# Altium PCB DC Battery Capacity Tester V1.2.PcbDoc (part 1 of 2) (continued)
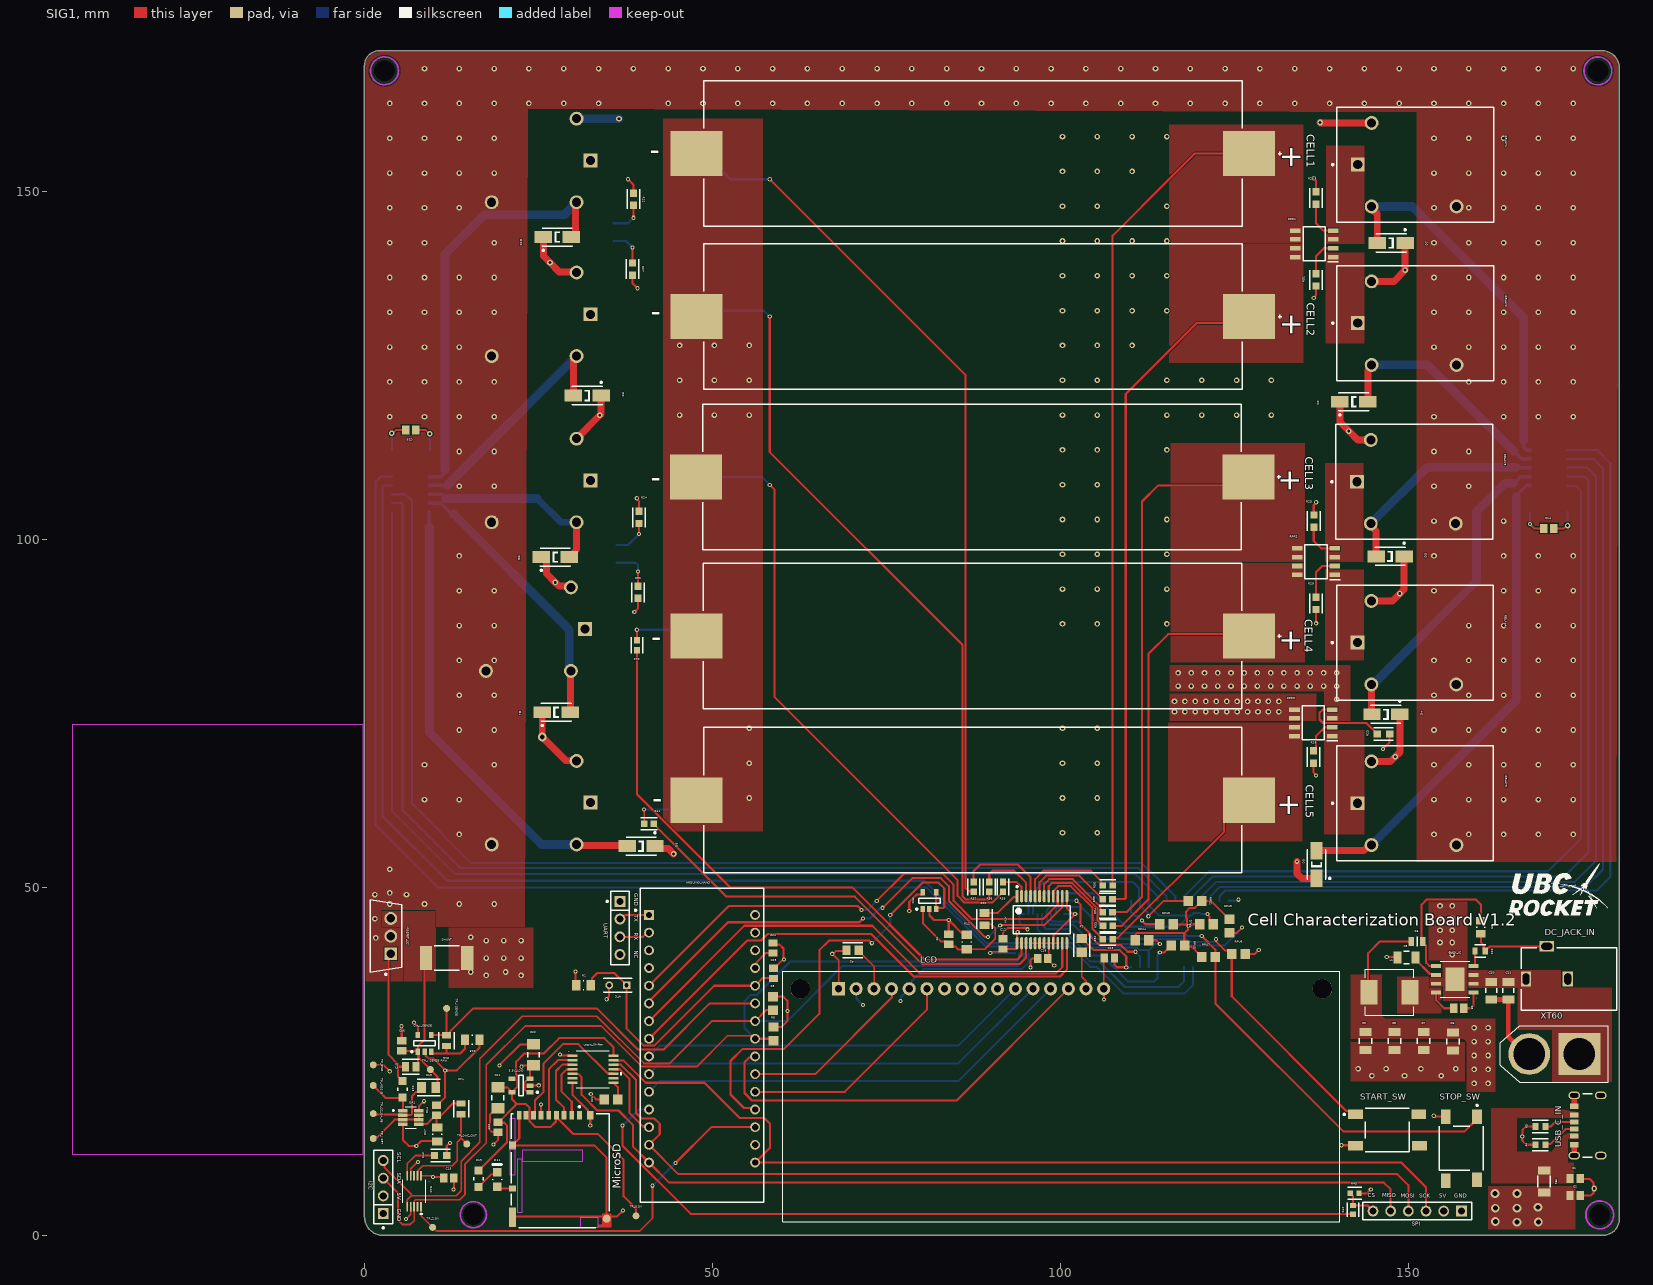
[diagram p0: SIG1 view]
## Components (designator, comment, footprint, x,y, rotation, side; value= is the part's Value field where it differs from the comment) (continued)
OA_I_SENSE "MCP6001UT-E/OT" SOT-23-OT5_L 8.625,27.582 r90 top
R1 "10k" RESC2013X50X35ML15T15 31.472,35.922 r180 top
R2 "1.3k" FP-RMCF0805-IPC_B 70.121,40.928 r0 top
R3 "5.1K" FP-MCT0603-IPC_B 168.91,15.623 r0 top
R4 "5.1K" FP-MCT0603-IPC_B 168.91,13.005 r0 top
R5 "Resistor 4k7 +/-1% 0805 125 mW" RESC2013X70X40ML20T20 58.721,28.939 r90 top value=4.7k
R6 "43k" FP-MCU0805-IPC_C 151.196,42.2 r180 top
R7 "220" FP-RMCF0805-IPC_A 103.022,41.653 r270 top
R8 "Resistor 4k7 +/-1% 0805 125 mW" RESC2013X70X40ML20T20 58.701,33.312 r90 top value=4.7k
R9 "8.2k" RESC0805(2012)_N 160.35,44.247 r90 top value="8200.00 Ohm"
R10 "7.5k" FP-CRCW0805-HPe3-IPC_B 89.07,45.432 r90 top
R11 "10k" RESC2013X50X35ML15T15 86.506,42.137 r270 top
R12 "AC0603JR-7W10KL" FP-AC0603-IPC_A 10.935,11.453 r180 top
R13 "300" FP-CR0805-MFG 5.439,20.994 r270 top
R14 "18k" FP-CRGP0805-IPC_C 13.888,18.154 r270 top value=18KΩ
R15 "1k" FP-RN73R2A-IPC_A 9.204,21.213 r0 top
R16 "18k" FP-CRGP0805-IPC_C 11.763,27.957 r270 top value=18KΩ
R17 "2k" FP-MCU0805-IPC_A 10.461,14.487 r90 top
R18 "2k" FP-MCU0805-IPC_A 15.468,28.082 r0 top
R19 "300" FP-CR0805-MFG 16.4,8.129 r90 top
R20 "200k" FP-CRCW0603-HPe3-MFG 160.248,40.822 r180 top
R21 "Resistor 4k7 +/-1% 0805 125 mW" RESC2013X70X40ML20T20 35.425,19.529 r180 top value=4.7k
R22 "10k" FP-AC0603-IPC_A 38.623,148.832 r90 top
R23 "10k" FP-AC0603-IPC_A 146.367,72.029 r0 top
R24 "10k" FP-AC0603-IPC_A 39.446,103.13 r90 top
R25 "10k" FP-AC0603-IPC_A 136.357,102.586 r90 top
R26 "10k" FP-AC0603-IPC_A 136.677,148.996 r90 top
R27 "10k" FP-AC0603-IPC_A 38.503,138.782 r270 top
R28 "10k" FP-AC0603-IPC_A 136.296,68.708 r270 top
R29 "10k" FP-AC0603-IPC_A 136.677,90.768 r270 top
R30 "10k" FP-AC0603-IPC_A 39.296,92.364 r270 top
R31 "10k" FP-AC0603-IPC_A 136.677,137.236 r270 top
R32 "2k" FP-TFCR0603-IPC_B 106.767,42.518 r180 top
R33 "2k" FP-TFCR0603-IPC_B 106.777,44.454 r180 top
R34 "2k" FP-TFCR0603-IPC_B 106.742,46.4 r180 top
R35 "2k" FP-TFCR0603-IPC_B 106.742,48.287 r180 top
R36 "2k" FP-TFCR0603-IPC_B 106.767,50.251 r180 top
R37 "2k" FP-TFCR0603-IPC_B 87.507,50.054 r90 top
R38 "2k" FP-TFCR0603-IPC_B 89.738,50.038 r90 top
R39 "2k" FP-TFCR0603-IPC_B 91.712,50.038 r90 top
R40 "2k" FP-TFCR0603-IPC_B 39.141,84.76 r270 top
R41 "2k" FP-TFCR0603-IPC_B 40.869,59.131 r0 top
R42 "1.2k" FP-CRGCQ0603-IPC_C 141.992,3.647 r270 top value=1.2KΩ
R43 "2.2k" FP-CRGCQ0603-IPC_C 142.24,6.02 r180 top value=2.2KΩ
RELAY1 "G5LE-1A DC5" FP-G5LE-1A_DC5-MFG 150.923,153.788 r0 top
RELAY2 "G5LE-1A DC5" FP-G5LE-1A_DC5-MFG 150.923,131.03 r0 top
RELAY3 "G5LE-1A DC5" FP-G5LE-1A_DC5-MFG 150.796,108.242 r0 top
RELAY4 "G5LE-1A DC5" FP-G5LE-1A_DC5-MFG 150.873,85.132 r0 top
RELAY5 "G5LE-1A DC5" FP-G5LE-1A_DC5-MFG 150.898,62.061 r0 top
RELAY6 "G5LE-1A DC5" FP-G5LE-1A_DC5-MFG 24.222,62.143 r180 bottom
RELAY7 "G5LE-1A DC5" FP-G5LE-1A_DC5-MFG 23.396,87.071 r180 bottom
RELAY8 "G5LE-1A DC5" FP-G5LE-1A_DC5-MFG 24.222,108.423 r180 bottom
RELAY9 "G5LE-1A DC5" FP-G5LE-1A_DC5-MFG 24.222,132.298 r180 bottom
RELAY10 "G5LE-1A DC5" FP-G5LE-1A_DC5-MFG 24.222,154.392 r180 bottom
RELAY_DRIVER_1 "ULN2003V12DR" FP-D0016A-MFG 170.121,108.356 r180 bottom
RELAY_DRIVER_2 "ULN2003V12DR" FP-D0016A-MFG 6.629,108.356 r0 bottom
RPR1 "MCQ7328-TP" SOIC127P600X175-8N 136.417,142.418 r180 top
RPR2 "MCQ7328-TP" SOIC127P600X175-8N 136.677,96.774 r180 top
RPR3 "MCQ7328-TP" SOIC127P600X175-8N 136.296,73.609 r180 top
RPR4 "MCQ7328-TP" SOIC127P600X175-8N 38.896,97.245 r0 bottom
RPR5 "MCQ7328-TP" SOIC127P600X175-8N 38.503,143.467 r0 bottom
RPU1 "Resistor 4k7 +/-1% 0805 125 mW" RESC2013X70X40ML20T20 119.299,48.044 r0 top value=4.7k
RPU2 "Resistor 4k7 +/-1% 0805 125 mW" RESC2013X70X40ML20T20 120.949,44.679 r180 top value=4.7k
RPU3 "Resistor 4k7 +/-1% 0805 125 mW" RESC2013X70X40ML20T20 116.869,41.653 r0 top value=4.7k
RPU4 "Resistor 4k7 +/-1% 0805 125 mW" RESC2013X70X40ML20T20 111.674,42.378 r180 top value=4.7k
RPU5 "Resistor 4k7 +/-1% 0805 125 mW" RESC2013X70X40ML20T20 124.257,44.415 r90 top value=4.7k
RPU6 "Resistor 4k7 +/-1% 0805 125 mW" RESC2013X70X40ML20T20 125.552,40.403 r0 top value=4.7k
RPU7 "Resistor 4k7 +/-1% 0805 125 mW" RESC2013X70X40ML20T20 121.249,40 r180 top value=4.7k
RPU8 "Resistor 4k7 +/-1% 0805 125 mW" RESC2013X70X40ML20T20 115.219,44.679 r180 top value=4.7k
SHUNT "0.05" FP-CRA2512-IPC_A 11.794,39.827 r0 top
SPI "TSW-106-07-G-S" SMTC-TSW-106-07-X-S 157.561,3.48 r180 top
START_SW "2-1977223-2" FP-2-1977223-2-MFG 146.893,15.123 r90 top
STOP_SW "2-1977223-2" FP-2-1977223-2-MFG 157.561,12.505 r0 top
UART "TSW-104-23-T-S" FP-TSW-104-23-T-S-MFG 36.681,44.145 r270 top
USB_C_IN "USB4125-GF-A-0190" FP-USB4125-GF-A-0190-MFG 176.781,15.773 r270 top
XT60 "XT60-M" AMASS_XT60-M 170.91,26.045 r180 top

## Footprints (in the part's own frame and the unit in brackets; to place one, negate y for a bottom-side part, rotate by r counter-clockwise, add the part's x,y. Pads: shape width x height; smd on the part's side, far side on the other; paste and mask are expansions set on the pad)
AMASS_XT60-M [mm]
  round 6 hole 4.55: N(3.6,0)
  rect 6x6 / inner round 6 / far side rect 6x6 hole 4.55: P(-3.6,0)
  silkscreen extent -7.75,-4.05 7.75,4.05, body extent -7.75,-4.05 7.75,4.05, height 16
CAPC2013X95X50LL10T25 [mm] "Chip Capacitor, 2-Leads, Body 2.10x1.35mm, IPC High Density"
  rect 1.05x1.3 smd: 1(-0.725,0) 2(0.725,0)
  body extent -1.05,-0.67 1.05,0.67, height 0.95
CAPC3216X180X50ML20T25 [mm] "Chip Capacitor, 2-Leads, Body 3.40x1.80mm, IPC Low Density"
  rect 1.5x1.9 smd: 1(-1.5,0) 2(1.5,0)
  silkscreen extent -0.35,-0.85 0.35,0.85, body extent -1.7,-0.9 1.7,0.9, height 1.8
CUI-PJ-102BH_V [mm] "THD, 3-Leads, Body 14.4x9mm, Height 11mm"
  rect 1.5x2.1 hole 1 slot 1.6 at 90 deg: 1(-3,0) 2(3,0)
  rect 2.1x1.5 hole 1 slot 1.6 at 0 deg: 3(0,4.7)
  silkscreen extent -3.7,-4.5 10.02,4.5, body extent -3.7,-4.5 10.7,4.9, height 11
DGS10_TEX [mil]
  rect 52.5x11 smd paste+0 mask+0: 1(-87.25,39.37) 2(-87.25,19.69) 3(-87.25,0) 4(-87.25,-19.68) 5(-87.25,-39.37) 6(87.25,-39.37) 7(87.25,-19.68) 8(87.25,0) 9(87.25,19.69) 10(87.25,39.37)
  silkscreen extent -66,-66 134,66, body extent -99,-61 99,61, height 43
DIOD-S1M-13-F-SMA-2_V [mm] "SMD, 2-Leads, Body 4.3x2.605mm, Height 2.3mm"
  rect 2.5x1.7 smd: 1(-2,0) 2(2,0)
  silkscreen extent -2.15,-1.3 2.15,2.03, body extent -2.15,-1.3 2.15,1.3, height 2.3
DW0024A_N [mm] "SOIC, 24-Leads, Body 15.6x7.6mm, Pitch 1.27mm, IPC Medium Density"
  rrect17% 1.9x0.6 smd: 1(-4.75,6.985) 2(-4.75,5.715) 3(-4.75,4.445) 4(-4.75,3.175) 5(-4.75,1.905) 6(-4.75,0.635) 7(-4.75,-0.635) 8(-4.75,-1.905) 9(-4.75,-3.175) 10(-4.75,-4.445) 11(-4.75,-5.715) 12(-4.75,-6.985) 13(4.75,-6.985) 14(4.75,-5.715) 15(4.75,-4.445) 16(4.75,-3.175) 17(4.75,-1.905) 18(4.75,-0.635) 19(4.75,0.635) 20(4.75,1.905) 21(4.75,3.175) 22(4.75,4.445) 23(4.75,5.715) 24(4.75,6.985)
  silkscreen extent -4.87,-7.8 3.4,7.96, body extent -3.8,-7.8 3.8,7.8, height 2.65
FP-2-1977223-2-MFG [mm]
  rect 1.4x2.1 smd paste+0 mask+0: 1(2.25,4.55) 2(2.25,-4.55) 3(-2.25,4.55) 4(-2.25,-4.65)
  silkscreen extent -3.15,-3.15 3.15,6.27, body extent -3.25,-5.8 3.25,5.7, height 0.25
FP-1042P-MFG [mil]
  rect 294x255 smd paste+0 mask+0: 1(-1562.5,0) 2(1562.5,0)
  silkscreen extent -1522,-412 1745,412, body extent -1693,-407 1693,406, height 595
FP-A000005-MFG [mil]
  rect 55.67x55.67 hole 35.98 paste-99999 mask+0: 1(-300,737.5)
  round 55.67 hole 35.98 paste-99999 mask+0: 2(-300,637.5) 3(-300,537.5) 4(-300,437.5) 5(-300,337.5) 6(-300,237.5) 7(-300,137.5) 8(-300,37.5) 9(-300,-62.5) 10(-300,-162.5) 11(-300,-262.5) 12(-300,-362.5) 13(-300,-462.5) 14(-300,-562.5) 15(-300,-662.5) 16(300,-662.5) 17(300,-562.5) 18(300,-462.5) 19(300,-362.5) 20(300,-262.5) 21(300,-162.5) 22(300,-62.5) 23(300,37.5) 24(300,137.5) 25(300,237.5) 26(300,337.5) 27(300,437.5) 28(300,537.5) 29(300,637.5) 30(300,737.5)
  silkscreen extent -381,-888 350,888, body extent -354,-891 354,891, height 10
FP-AC0603-IPC_A [mm]
  rect 1.059x1.012 smd paste+0 mask+0: 1(-0.877,0) 2(0.877,0)
  silkscreen extent -1.41,-0.91 1.41,0.91, body extent -0.8,-0.4 0.8,0.4, height 0.55
FP-BLM31-0_2-t1_1-MFG [mm]
  rect 1.15x1.8 smd paste+0 mask+0: 1(-1.575,0) 2(1.575,0)
  silkscreen extent -0.82,-0.9 0.82,0.9, body extent -2.25,-1 2.25,1, height 0.25
FP-CL31-IPC_C [mm]
  rect 1.154x1.706 smd paste+0 mask+0: 1(-1.276,0) 2(1.276,0)
  silkscreen extent -0.32,-0.8 0.32,0.8, body extent -1.6,-0.8 1.6,0.8, height 1.8
FP-CR0805-MFG [mm]
  rect 1.15x1.15 smd paste+0 mask+0: 1(-1.175,0) 2(1.175,0)
  silkscreen extent -0.23,-0.67 0.23,0.67, body extent -1.85,-0.77 1.85,0.77, height 0.25
FP-CRA2512-IPC_A [mm]
  rect 1.756x3.506 smd paste+0 mask+0: 1(-2.975,0) 2(2.975,0)
  silkscreen extent -1.8,-1.75 1.8,1.75, body extent -3.2,-1.6 3.2,1.6, height 0.9
FP-CRCW0603-HPe3-MFG [mm]
  rect 0.75x1 smd paste+0 mask+0: 1(-0.75,0) 2(0.75,0)
  silkscreen extent -0.8,-0.9 0.8,0.9, body extent -0.8,-0.43 0.8,0.43, height 0.55
FP-CRCW0805-HPe3-IPC_B [mm]
  rect 1.106x1.408 smd paste+0 mask+0: 1(-0.876,0) 2(0.876,0)
  silkscreen extent -1.43,-1.1 1.43,1.1, body extent -1.68,-0.95 1.68,0.95, height 0.25
FP-CRGCQ0603-IPC_C [mm]
  rect 0.758x0.812 smd paste+0 mask+0: 1(-0.627,0) 2(0.627,0)
  silkscreen extent -1.01,-0.85 1.01,0.85, body extent -1.11,-0.55 1.11,0.55, height 0.25
FP-CRGP0805-IPC_C [mm]
  rect 0.906x1.31 smd paste+0 mask+0: 1(-0.776,0) 2(0.776,0)
  silkscreen extent -1.23,-1.1 1.23,1.1, body extent -1.33,-0.8 1.33,0.8, height 0.25
FP-D0016A-MFG [mm]
  rect 1.55x0.6 smd paste-1000 mask+0: 1(-2.7,4.445) 2(-2.7,3.175) 3(-2.7,1.905) 4(-2.7,0.635) 5(-2.7,-0.635) 6(-2.7,-1.905) 7(-2.7,-3.175) 8(-2.7,-4.445) 9(2.7,-4.445) 10(2.7,-3.175) 11(2.7,-1.905) 12(2.7,-0.635) 13(2.7,0.635) 14(2.7,1.905) 15(2.7,3.175) 16(2.7,4.445)
  silkscreen extent -4.18,-5 1.55,5, body extent -3,-4.95 3,4.95, height 1.75
FP-DB0024A-IPC_C [mm]
  rect 1.753x0.415 smd paste+0 mask+0: 1(-3.375,-3.575)
  rrect100% 1.753x0.415 smd paste+0 mask+0: 2(-3.375,-2.925) 3(-3.375,-2.275) 4(-3.375,-1.625) 5(-3.375,-0.975) 6(-3.375,-0.325) 7(-3.375,0.325) 8(-3.375,0.975) 9(-3.375,1.625) 10(-3.375,2.275) 11(-3.375,2.925) 12(-3.375,3.575) 13(3.375,3.575) 14(3.375,2.925) 15(3.375,2.275) 16(3.375,1.625) 17(3.375,0.975) 18(3.375,0.325) 19(3.375,-0.325) 20(3.375,-0.975) 21(3.375,-1.625) 22(3.375,-2.275) 23(3.375,-2.925) 24(3.375,-3.575)
  silkscreen extent -4.88,-4.1 2,4.1, body extent -3.9,-4.1 3.9,4.1, height 2
FP-DM3AT-SF-PEJM5_40-MFG [mm]
  rect 0.7x1.2 smd paste+0 mask+0: 1(2.775,7.975) 2(1.675,7.975) 3(0.575,7.975) 4(-0.525,7.975) 5(-1.625,7.975) 6(-2.725,7.975) 7(-3.825,7.975) 8(-4.925,7.975) 9(-5.875,7.975)
  rect 1x0.8 smd paste+0 mask+0: 10(-6.825,-2.525)
  rect 1x1.2 smd paste+0 mask+0: 11(4.325,7.975) 12(-6.825,3.675)
  rect 1x2.8 smd paste+0 mask+0: 13(-6.825,-6.675)
  round 1.145 smd paste+0 mask+0: 14(6.689,-6.861)
  SIG1 region: 6.025,-6.175 7.325,-6.175 7.325,-8.075 5.475,-8.075 5.475,-7.725 5.875,-7.725 6.025,-7.575 6.025,-6.175
  Keep-Out Layer region: -7.225,4.275 -6.475,4.275 -6.475,7.525 -7.225,7.525
  Keep-Out Layer region: -7.225,-0.525 -6.475,-0.525 -6.475,3.075 -7.225,3.075
  Keep-Out Layer region: -6.125,-5.925 -5.425,-5.925 -5.425,1.675 -6.125,1.675
  Keep-Out Layer region: -5.425,1.375 3.275,1.375 3.275,2.975 -5.425,2.975
  Keep-Out Layer region: 2.925,-8.075 5.475,-8.075 5.475,-6.725 2.925,-6.725
  silkscreen extent -7.02,-8.18 7.02,9.35, body extent -7.42,-8.27 7.42,8.67, height 0.25
FP-G5LE-1A_DC5-MFG [mm]
  rect 2x2 hole 1.3 paste-2539.97 mask+0: 1(-8.25,0)
  round 2 hole 1.3 paste-2539.97 mask+0: 2(-6.25,-6) 3(5.95,-6) 5(-6.25,6)
  silkscreen extent -11.97,-8.25 11.25,8.25, body extent -10.8,-7.8 10.8,7.8, height 19
FP-GCM219-0_15-IPC_C [mm]
  rect 1.006x1.308 smd paste+0 mask+0: 1(-0.726,0) 2(0.726,0)
  silkscreen extent -1.23,-1.1 1.23,1.1, body extent -1.33,-0.8 1.33,0.8, height 0.25
FP-GRM31C-0_2-e0_3_0_8-IPC_C [mm]
  rect 1.155x1.706 smd paste+0 mask+0: 1(-1.276,0) 2(1.276,0)
  silkscreen extent -0.4,-0.9 0.4,0.9, body extent -1.95,-1 1.95,1, height 0.25
FP-MCT0603-IPC_B [mm]
  rect 0.864x0.962 smd paste+0 mask+0: 1(-0.729,0) 2(0.729,0)
  silkscreen extent -1.16,-0.88 1.16,0.88, body extent -1.41,-0.73 1.41,0.73, height 0.25
FP-MCU0805-IPC_A [mm]
  rect 1.159x1.508 smd paste+0 mask+0: 1(-1.027,0) 2(1.027,0)
  silkscreen extent -0.07,-0.63 0.07,0.63, body extent -2.11,-1.25 2.11,1.25, height 0.25
FP-MCU0805-IPC_C [mm]
  rect 0.759x1.308 smd paste+0 mask+0: 1(-0.827,0) 2(0.827,0)
  silkscreen extent 0,-0.7 0,0.7, body extent -1.31,-0.8 1.31,0.8, height 0.25
FP-NXR_151B030-MFG [mm]
  rect 1.1x1.1 hole 0.6 paste-2539.97 mask+0: 1(-1.25,0)
  round 1.1 hole 0.6 paste-2539.97 mask+0: 2(1.25,0)
  silkscreen extent -2,-1 2,1, body extent -2.1,-1.1 2.1,1.1, height 0.25
FP-PG-TO220-3-MFG [mm]
  rect 1.85x1.85 hole 1.2 paste-2539.97 mask+0: 1(-0.705,2.54)
  round 1.85 hole 1.2 paste-2539.97 mask+0: 2(-0.705,0) 3(-0.705,-2.54)
  silkscreen extent -2.27,-5.2 2.27,5.62, body extent -2.37,-5.55 2.37,5.55, height 0.25
FP-RMCF0805-IPC_A [mm]
  rect 1.355x1.462 smd paste+0 mask+0: 1(-0.976,0) 2(0.976,0)
  silkscreen extent -1.65,-1.13 1.65,1.13, body extent -2.15,-1.23 2.15,1.23, height 0.25
FP-RMCF0805-IPC_B [mm]
  rect 1.155x1.362 smd paste+0 mask+0: 1(-0.876,0) 2(0.876,0)
  silkscreen extent -1.45,-1.08 1.45,1.08, body extent -1,-0.63 1,0.63, height 0.65
FP-RN73R2A-IPC_A [mm]
  rect 1.255x1.556 smd paste+0 mask+0: 1(-1.025,0) 2(1.025,0)
  silkscreen extent -1.65,-1.18 1.65,1.18, body extent -2.15,-1.28 2.15,1.28, height 0.25
FP-SOT23-5LD-PL-1-MFG [mm]
  rect 1x0.66 smd paste+0 mask+0: 1(-1.3,0.95) 2(-1.3,0) 3(-1.3,-0.95) 4(1.3,-0.95) 5(1.3,0.95)
  silkscreen extent -2.48,-1.5 0.35,1.5, body extent -1.9,-1.6 1.9,1.6, height 0.25
FP-TFCR0603-IPC_B [mm]
  rect 0.958x0.912 smd paste+0 mask+0: 1(-0.702,0) 2(0.702,0)
  silkscreen extent -1.18,-0.86 1.18,0.86, body extent -1.43,-0.71 1.43,0.71, height 0.25
FP-TSW-104-23-T-S-MFG [mm]
  rect 1.57x1.57 hole 1.02 paste-2539.97 mask+0: 1(-3.81,0)
  round 1.57 hole 1.02 paste-2539.97 mask+0: 2(-1.27,0) 3(1.27,0) 4(3.81,0)
  silkscreen extent -5.98,-1.34 5.27,1.34, body extent -5.37,-1.44 5.37,1.44, height 0.25
FP-USB4125-GF-A-0190-MFG [mm]
  rrect100% 1.1x1.7 hole 1.2 slot 0.6 at 0 deg paste-2539.97 mask+0: 1(-4.32,-3) 2(4.32,-3) 3(-4.32,0.8) 4(4.32,0.8)
  rect 0.7x1.2 smd paste+0 mask+0: A5(-0.5,-3) B5(0.5,-3)
  rect 0.76x1.2 smd paste+0 mask+0: A9(1.52,-3) B9(-1.52,-3)
  rect 0.8x1.2 smd paste+0 mask+0: A12(2.75,-3) B12(-2.75,-3)
  silkscreen extent -4.59,-1.78 4.59,-0.43, body extent -4.47,-3.4 4.47,3.4, height 3.51
IND_MGAH06036R8M-10 [mm]
  rect 2.45x3.5 smd: 1(-2.925,0) 2(2.925,0)
  silkscreen extent -3.5,-3.3 3.5,3.3, body extent -3.5,-3.3 3.5,3.3, height 3.1
LTST-C170KSKT_V [mm] "SMD, 2-Leads, Body 2x1.25mm"
  rect 1.2x1.2 smd: 1(-1.05,0) 2(1.05,0)
  silkscreen extent -0.05,-0.63 2.16,0.64, body extent -1,-0.63 1,0.63, height 1.2
MODULE_LCD-16X2 [mil]
  rect 74x74 / inner round 74 / far side rect 74x74 hole 40: 1(-1259.84,610.24)
  round 74 hole 40: 2(-1159.84,610.24) 3(-1059.84,610.24) 4(-959.84,610.24) 5(-859.84,610.24) 6(-759.84,610.24) 7(-659.84,610.24) 8(-559.84,610.24) 9(-459.84,610.24) 10(-359.84,610.24) 11(-259.84,610.24) 12(-159.84,610.24) 13(-59.84,610.24) 14(40.16,610.24) 15(140.16,610.24) 16(240.16,610.24)
  round 110.24 hole 110.24 unplated: ""(-1476.38,610.24) ""(1476.38,610.24)
  silkscreen extent -1575,-709 1575,709, body extent -1575,-709 1575,709, height 402
PW0024A_L [mm] "SOP, 24-Leads, Body 7.9x4.5mm, Pitch 0.65mm, IPC High Density"
  rrect25% 1.2x0.4 smd: 1(-2.85,3.575) 2(-2.85,2.925) 3(-2.85,2.275) 4(-2.85,1.625) 5(-2.85,0.975) 6(-2.85,0.325) 7(-2.85,-0.325) 8(-2.85,-0.975) 9(-2.85,-1.625) 10(-2.85,-2.275) 11(-2.85,-2.925) 12(-2.85,-3.575) 13(2.85,-3.575) 14(2.85,-2.925) 15(2.85,-2.275) 16(2.85,-1.625) 17(2.85,-0.975) 18(2.85,-0.325) 19(2.85,0.325) 20(2.85,0.975) 21(2.85,1.625) 22(2.85,2.275) 23(2.85,2.925) 24(2.85,3.575)
  silkscreen extent -2.97,-3.95 1.85,4.45, body extent -3.21,-3.9 3.21,3.9, height 1
RESC0805(2012)_N [mm] "Chip Resistor, Body 2.0x1.3mm, IPC Medium Density"
  rect 1.05x1.4 smd: 1(-0.95,0) 2(0.95,0)
  silkscreen extent -0.05,-0.6 0.05,0.6, body extent -1.1,-0.67 1.1,0.68, height 0.7
RESC2013X50X35ML15T15 [mm] "Chip Resistor, 2-Leads, Body 2.2x1.4mm, IPC Low Density"
  rect 1.2x1.5 smd: 1(-1.05,0) 2(1.05,0)
  silkscreen extent -0.05,-0.65 0.05,0.65, body extent -1.1,-0.7 1.1,0.7, height 0.5
RESC2013X70X40ML20T20 [mm] "Chip Resistor, 2-Leads, Body 2.2x1.35mm, IPC Low Density"
  rect 1.35x1.45 smd: 1(-0.975,0) 2(0.975,0)
  body extent -1.1,-0.67 1.1,0.67, height 0.7
SMTC-TSW-106-07-X-S [mm] ".025 SQ Post Terminal Strip Assembly, 1x6 Pins, Vertical, 2.54mm Pitch, Male"
  rect 1.55x1.55 hole 1.02: 1(0,0)
  round 1.55 hole 1.02: 2(2.54,0) 3(5.08,0) 4(7.62,0) 5(10.16,0) 6(12.7,0)
  silkscreen extent -1.46,-1.27 14.16,1.27, body extent -1.27,-1.24 13.97,1.3, height 8.38
SO-8EP_DIO [mil]
  rect 56x22 smd paste+0 mask+0: 1(-106,75) 2(-106,25) 3(-106,-25) 4(-106,-75) 5(106,-75) 6(106,-25) 7(106,25) 8(106,75)
  rect 107x132 smd paste-65.5 mask+0: 9(0,0)
  silkscreen extent -83,-103 83,103, body extent -120,-97 120,97, height 64
SOIC127P600X175-8N [mm]
  rect 1.525x0.65 smd: 1(-2.712,1.905) 2(-2.712,0.635) 3(-2.712,-0.635) 4(-2.712,-1.905) 5(2.712,-1.905) 6(2.712,-0.635) 7(2.712,0.635) 8(2.712,1.905)
  silkscreen extent -3.47,-2.45 1.6,2.58, body extent -3,-2.45 3,2.45, height 1.75
SOT65P280X110-8N [mm]
  rrect15% 1.37x0.49 smd mask+0: 1(-1.15,0.975) 2(-1.15,0.325) 3(-1.15,-0.325) 4(-1.15,-0.975) 5(1.15,-0.975) 6(1.15,-0.325) 7(1.15,0.325) 8(1.15,0.975)
  silkscreen extent -2.6,-1.54 0.8,1.54, body extent -1.4,-1.45 1.4,1.45, height 1.1
SOT-23-OT5_L [mm] "SOT23, 5-Leads, Body 2.9x1.7mm, Pitch 0.95mm, Lead Span 2.8mm, IPC High Density"
  rect 0.9x0.65 smd: 1(-1.2,0.95) 2(-1.2,0) 3(-1.2,-0.95) 4(1.2,-0.95) 5(1.2,0.95)
  silkscreen extent -1.32,-1.55 0.35,1.95, body extent -0.9,-1.55 0.9,1.55, height 1.45
TSSOP14_PW_TEX [mm]
  rect 1.404x0.355 smd paste+0 mask+0: 1(-2.95,1.95) 2(-2.95,1.3) 3(-2.95,0.65) 4(-2.95,0) 5(-2.95,-0.65) 6(-2.95,-1.3) 7(-2.95,-1.95) 8(2.95,-1.95) 9(2.95,-1.3) 10(2.95,-0.65) 11(2.95,0) 12(2.95,0.65) 13(2.95,1.3) 14(2.95,1.95)
  silkscreen extent -2.37,-2.68 4.16,2.68, body extent -3.3,-2.55 3.3,2.55, height 1.2

## Part data
3.3V_LDO: library part CMP-2000-07604-2, "IC REG LINEAR 3.3V 300MA SOT23-5", Case/Package=SOT-23-5, Dropout Voltage=380mV, Max Input Voltage=5.5V, Max Operating Temperature=125°C, Max Output Current=300mA, Min Input Voltage=2.5V, Min Operating Temperature=-40°C, Nominal Output Voltage=3.3V, Operating Supply Current=42uA, Power Supply Rejection Ratio (PSRR)=60dB, Quiescent Current=38uA, Accuracy=3%, Height=1.1mm, Length=2.9mm, Mount="Surface Mount", Number Of Outputs=1, Number of Pins=5, Output Current=300mA, Output Type=Fixed, Output Voltage=3.3V, Packaging="Tape and Reel", REACH SVHC="No SVHC", Width=1.6mm
ARDUINO_NANO: library part CMP-189986-000002-1, "ARDUINO NANO ATMEGA328 EVAL BRD", Operating Supply Voltage=12V, Package Quantity=50, Core Architecture=AVR, Data Bus Width=8b, Evaluation Kit=Yes, Height=0.25inch, Interface=I2C, Length=7inch, Number of Bits=8, Packaging=Bulk, REACH SVHC="No SVHC", Series="AVR® ATmega", Weight=0.358383oz, Width=5inch
BUCK_IC: "Description", Manufacturer_Name="Diodes Inc", Copyright="Copyright (C) 2025 Ultra Librarian. All rights reserved.", Manufacturer_Part_Number=AP64502QSP-13, RefDes=RefDes, Supplier 1=Avnet, Supplier Part Number 1=AP64502QSP-13, Type=Type
C1 C2 C3 C4 C12 C14 C15 C16 C17 C18 C19 C20 C23 C24 C25: library part CMP-001-00018-6, "Capacitor 100 nF +/-10% 50 V 0805", Capacitor Type=Ceramic, Case/Package=0805, Max Operating Temperature=125°C, Min Operating Temperature=-55°C, Tolerance=10%, Voltage Rating=50V, Mounting Technology=SM, Pins=2, RoHS Compliant=True
C5 C6 C7 C8 C9: library part CMP-2000-05255-3, "Chip Multilayer Ceramic Capacitors for General Purpose, 1206, 47uF, X5R, 15%, 20%, 10V", Case Code (Imperial)=1206, Case Code (Metric)=3216, Dielectric=X5R, Max Operating Temperature=85°C, Min Operating Temperature=-55°C, Package Quantity=2000, Tolerance=20%, Voltage=10V, Capacitance=47uF, Case/Package=1206, Depth=1.6mm, Height=1.6mm, Lead Free="Lead Free", Length=3.2mm, Mount="Surface Mount", Number of Pins=2, Packaging="Tape and Reel", Radiation Hardening=No, REACH SVHC="No SVHC", Termination=SMD/SMT, Thickness=0.071inch, Voltage Rating=10V, Voltage Rating (DC)=10V, Width=1.6mm
C10 C11: library part CMP-13271-000016-1, "CAP CER 10UF 50V X5R 1206", Manufacturer=Samsung, Manufacturer Part Number=CL31A106KBHNNNE, Package=CL31, Temperature="-55°C to +85°C", Temperature Characteristic=X5R, Temperature Coefficient=15%, Temperature Range High=+85°C, Temperature Range Low=-55°C, Tolerance=10%, Voltage=50V, Automotive=No, Capacitance=10uF, Category=Cap, ComponentLink2Description=Datasheet, ComponentLink2URL=http://www.samsungsem.com/kr/support/product-search/mlcc/__icsFiles/afieldfile/2018/06/21/CL31A106KBHNNNE.pdf, Device Class L1="Passive Components", Device Class L2=Capacitors, Device Class L3="Ceramic Capacitors", Digikey Description="CAP CER 10UF 50V X5R 1206", Height=1.8mm, Ipc Land Pattern Name=CAPC320160X160, Lead Free=Yes, Material=Ceramic, Octopart=https://octopart.com/cl31a106kbhnnne-samsung-19832778, RoHS=TRUE, Voltage Rating=50V
C13: library part CMP-06035-023057-1, "Ceramic Capacitor for Automotive 10nF  ±10% 100VDC X8R 0805 Paper T/R"
C21 C22: library part CMP-2000-04991-1, "Chip Capacitor, 1 uF, +/- 10%, 25 V, -55 to 125 degC, 1206 (3216 Metric), RoHS, Tape and Reel", Capacitance - nF=1000nF, Case Code - in=1206, Case Code - mm=3216, Case Height=1.6mm, Case Length=3.2mm, Dielectric=X7R, Manufacturer=Kemet, Maximum Operating Temperature=+125C, Minimum Operating Temperature=-55C, Operating Temperature Range=-55Cto+125C, Package / Case=1206(3216metric), Package Description="2-Pin Surface Mount Device, Body 3.2 x 1.6 mm", Temperature Coefficient / Code=+/-15%, Tolerance=10%, Voltage Rating=25V, Brand=Kemet, Capacitance=1uF, Case Width=1.6mm, Class=Class1, Datasheet URL=https://ciiva.com/datasheet-click-18194173?src=ciiva&sig=6daff8c4, Datasheet Version=Jul-14, Dimensions=1.6mmWx3.2mmLx1.6mmH, Factory Pack Quantity=2000, Manufacturer URL=http://www.kemet.com/, Package Reference=1206, Packaging=Reel, Product=GeneralTypeMLCCs, Product Category=MultilayerCeramicCapacitorsMLCC-SMD/SMT, RoHS=Details, Series=C1206C, Termination Style=SMD/SMT, Type=SMDMLCCX7R6.3-250VDCCommericalGrade, Voltage Rating Dc=25V
CELL1 CELL2 CELL3 CELL4 CELL5 CELL6 CELL7 CELL8 CELL9 CELL10: library part CMP-19636-000019-1, "BATTERY HOLDER 18650 SMD TAB", Max Operating Temperature=145°C, Min Operating Temperature=-50°C, Package Quantity=200, Lead Free="Lead Free", Mount="Surface Mount", Number of Cells=1, Packaging=Tray, Termination=SMD/SMT
D1 D2 D3 D4 D5 D6 D7 D8 D9 D10: library part CMP-0639-00001-1, "Surface Mount Glass Passivated Rectifier, 1000V, 1 A, -65 to 125 degC, 2-Pin SMA Package, RoHS, Tape and Reel", Forward Voltage Drop VF (V)=1.1, Manufacturer="Diodes Inc", Maximum Average Rectified Current IO (A)=1, Maximum Peak Forward Surge Current IFSM (A)=30, Maximum Reverse Current IR (uA)=5, Operating Temperature Range="-65 to 150 degC", Peak Repetitive Reverse Voltage VRRM (V)=1000, Total Capacitance CT (pF)=10, ComponentLink1Description="Manufacturer URL", ComponentLink1URL=http://www.diodes.com/, ComponentLink2Description=Datasheet, ComponentLink2URL=http://diodes.com/datasheets/ds16003.pdf, ComponentLink3Description="Package Specification", ComponentLink3URL=http://diodes.com/datasheets/ds16003.pdf, DatasheetVersion="Rev. 22 - 2", Mounting Technology="Surface Mount", PackageDescription="2-Pin SMD, Body 4.3 x 2.605 mm, Height 2.3 mm", PackageReference=S1M-13-F-SMA-2, PackageVersion="Rev. 22 - 2", Packing="Tape and Reel", PartNumber=S1M-13-F, RoHS=TRUE
D11: library part CMP-2000-06621-1, "LTST-C170KSKT LED Yellow, 75 mW, 80 mA, -55 to 85 degC, 2-Pin SMD, RoHS, Tape and Reel", Emitting Color=Amber, Forward Current=30mA, Forward Voltage=2.4V, Manufacturer=Lite-On, Operating Temp Range=-55Cto85C, Operating Temperature Classification=Industrial, Package Description="2-Pin Surface Mount Device, Body 2 x 1.25 mm", Package Reference=C170KSKT, Package Type=ChipLed, Power Dissipation=75W, Reverse Voltage=5V, Test Current (It)=20mA, Chip Material=AlGaInP, Datasheet URL=http://optoelectronics.liteon.com/upload/download/DS-22-99-0188/S_110_LTST-C170KSKT.pdf, Datasheet Version="Rev. H, 04/2014", DELETED=Compliant, Dominant Wave Length=587nm, High Brightness=Yes, Lens Dimensions=1.4x1.25x0.6mm, Lum Intensity=112mcd, Luminous Intensity=112mcd, Main Category=ChipLED, Manufacturer URL=http://www.us.liteon.com/, Mounting=SurfaceMount, Mounting Technology=SurfaceMount, Number of  Elements=1, Packaging=TapeandReel, Peak Wavelength=588nm, Pin Count=2, Product Depth (mm)=1.25mm, Product Height (mm)=1.1mm, Product Length (mm)=2mm, Rad Hardened=No, Shape Type=Rectangular, Type=Uni-Color, Viewing Angle=130deg